# Altium PCB 2016_BeaconIR_YahourtPhone.PCBDOC (part 2 of 2)
Units mil, origin at the board's own origin, x right, y up, seen from the top; angles counter-clockwise.
Board outline 3110.16 x 3110.12 mil, 4 copper layers (1-TOP, 2-SIGNAL, 3-GND, 4-BOT), stack 68 mil thick; 241 components, 166 nets, 741 pads, 347 vias.
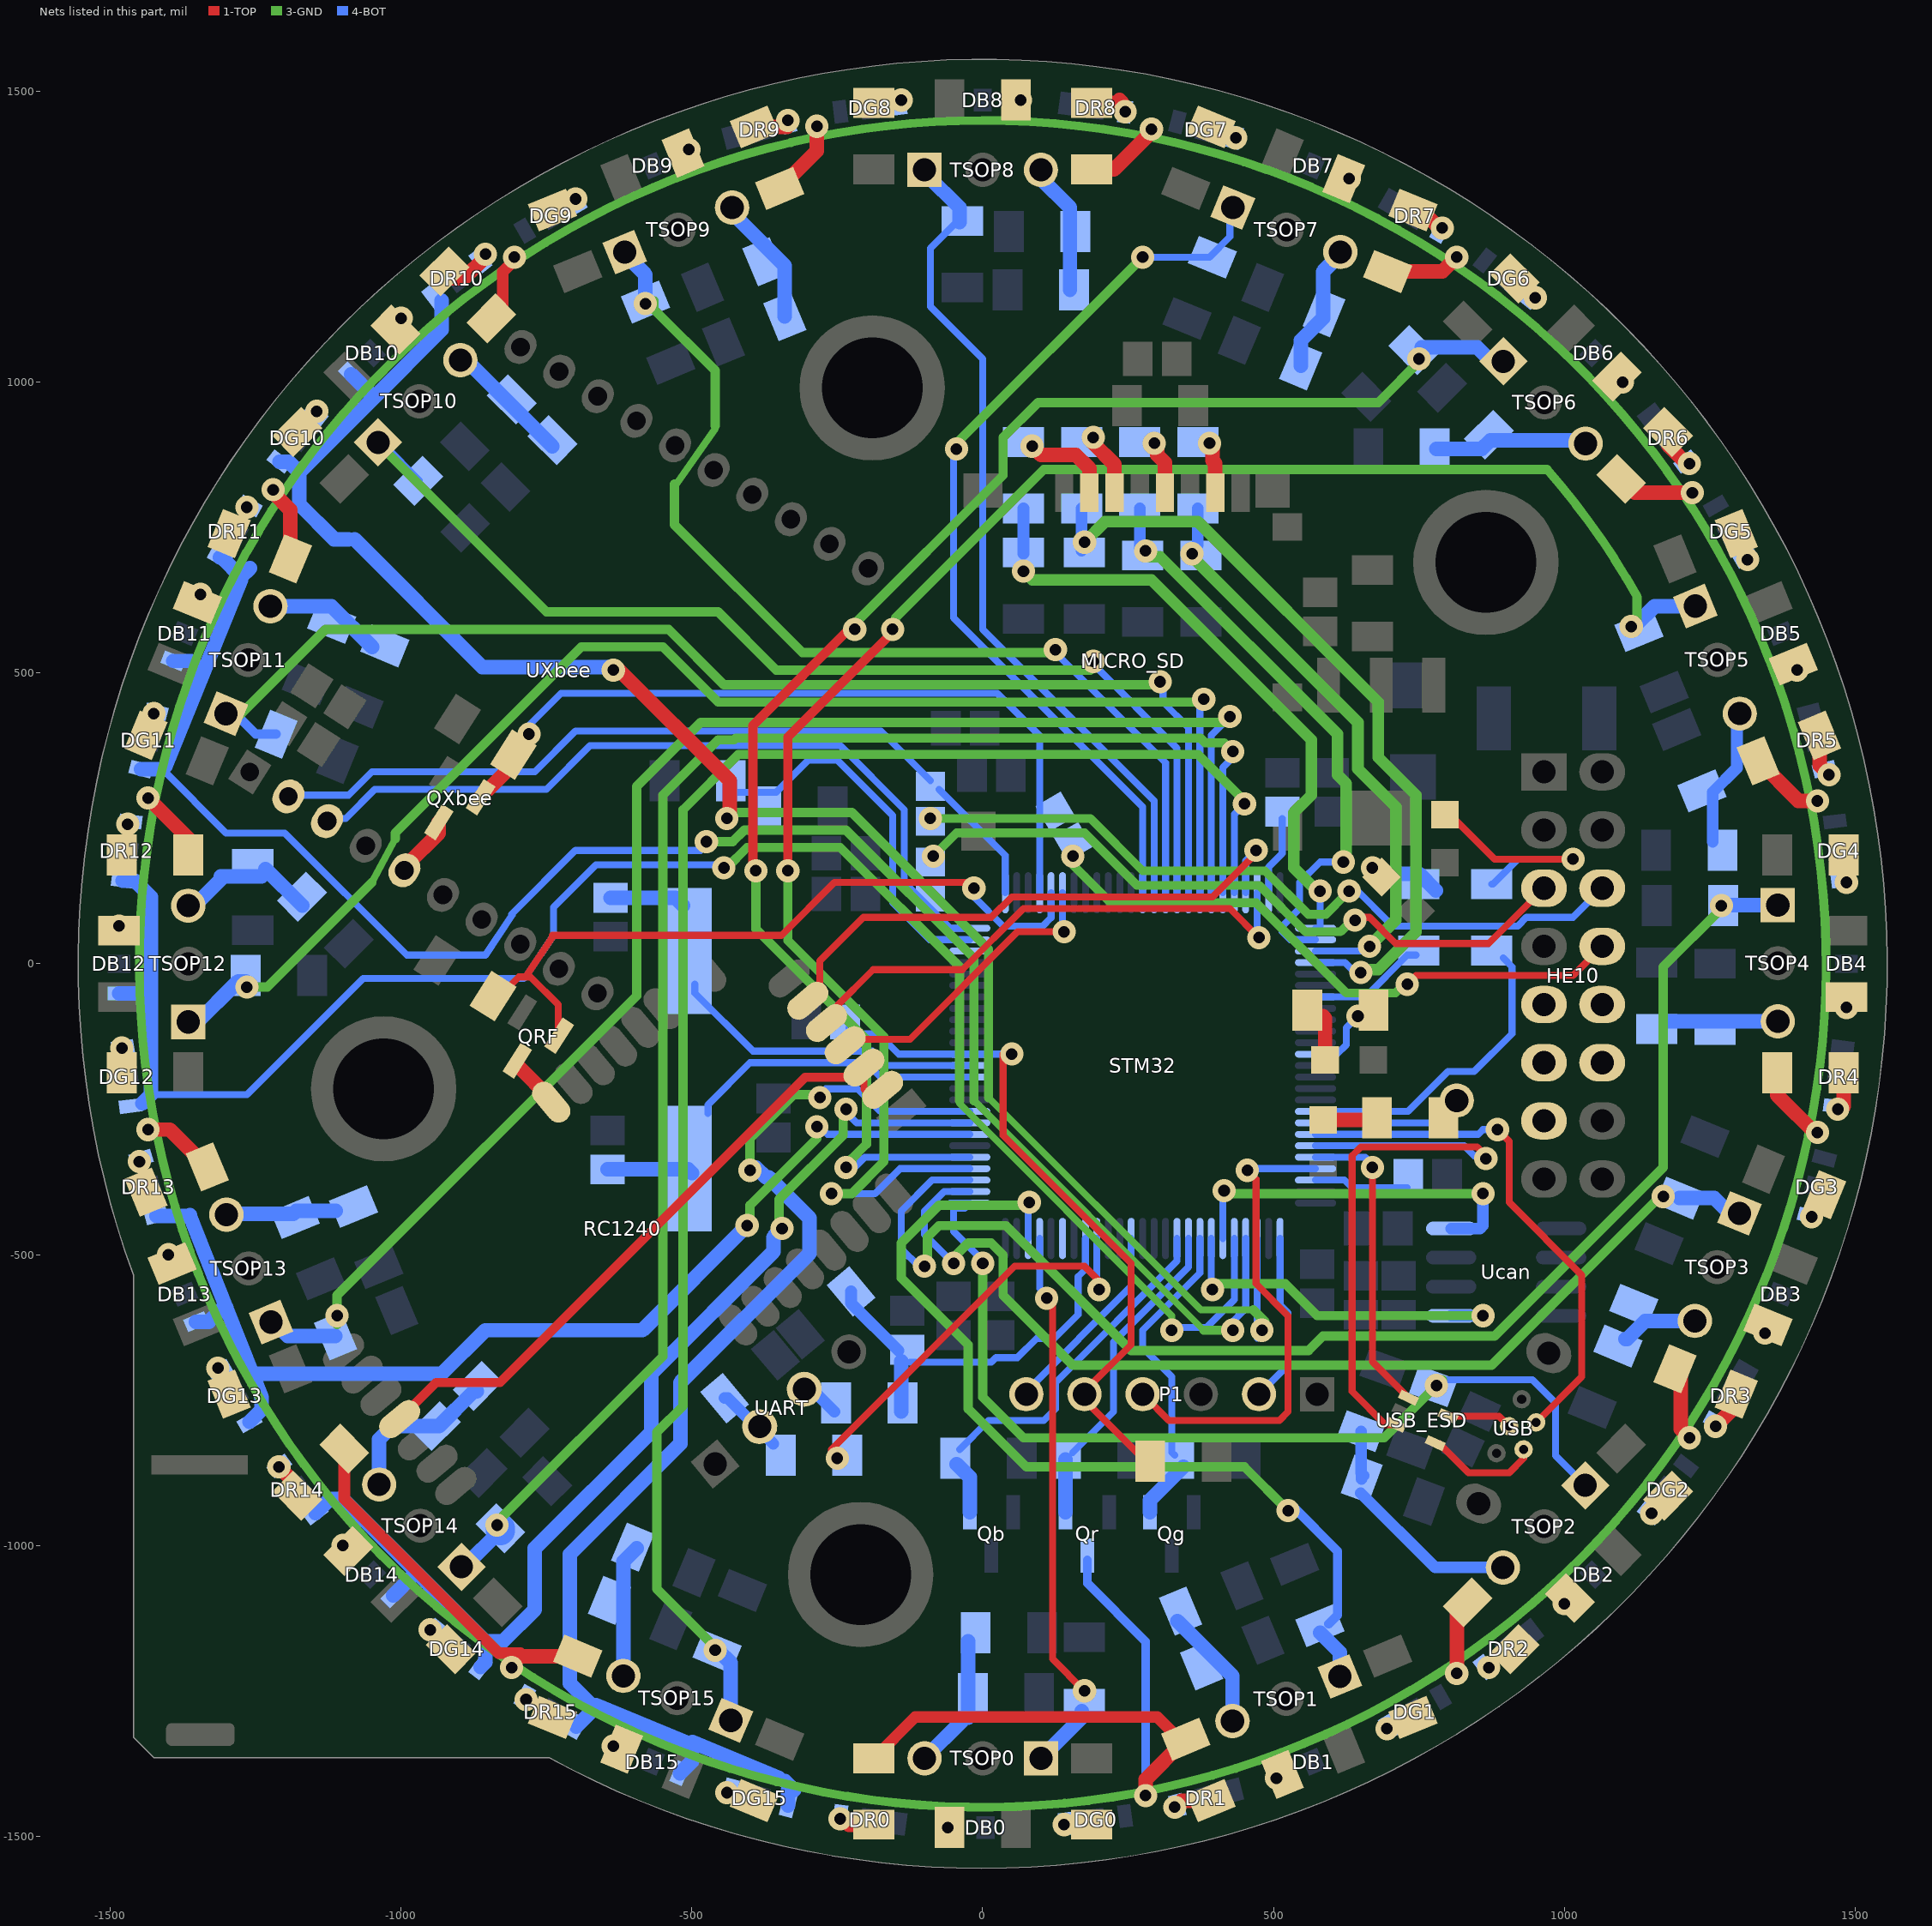
[diagram p4: the nets of this part, all layers, seen from the top]

## Via types
v1: diameter 40, hole 20, 1-TOP to 4-BOT, 347 vias

## Nets (pads, with @x,y where several pads share a name; then routed paths per layer and width w, separated by ;. In a path a pad name is that pad's centre, name@x,y a point inside that pad or via, vN(x,y) a via of type N, cw(c..) or ccw(c..) an arc to the next point about the centre after c; other vN are vias at no path point) (continued)
LEDS10: DB10.1 DG10.1 DR10.1 STM32.78 | length 3161.5
  1-TOP w25: v1@-630,510 -435,315 v1@-435,250
  3-GND w12: 10,-230 375,-595 465,-595
  3-GND w16: v1@-435,260 -225,260 10,25 10,-230 ; 465,-595 485,-615 485,-630 v1(480,-630)
  4-BOT w12: v1@471.85,-643.15 STM32.78@471.85,-472.24
  4-BOT w25: DG10.1@-1209.16,863.4 -1193.4,863.4 -1175,845 ; -1090,730 -1115,730 -1175,790 -1175,845 ; DB10.1@-1086.19,1013.81 -1050,977.62 -1050,970 ; -1080,730 -860,510 v1@-635,510 ; DR10.1@-930,1140 -930,1090 -1050,970 ; -1175,845 -1050,970
  other v1: -440,250 -635,505
LEDS11: DB11.1 DG11.1 DR11.1 STM32.79 | length 3258.4
  3-GND w12: -15,-235 380,-630
  3-GND w16: v1@-470,210 -430,210 -410,230 -235,230 -15,10 -15,-235 ; 380,-630 v1@424.5,-630
  4-BOT w12: -1410.44,334.56 -1300.87,225 -1200,225 -990,15 -855,15 ; -855.15,14.77 -809,84 ; -810,85 -700,195 -485,195 v1@-470,210 ; v1@425,-640 425,-620 452.17,-592.83 STM32.79@452.17,-472.24
  4-BOT w25: DG11.1@-1447.25,334.56 -1410.44,334.56 ; -1405,340 -1340,500 ; DB11.1@-1391.59,520.71 -1360.71,520.71 -1340,500 ; DR11.1@-1311.59,698.68 -1308.68,698.68 -1275,665 -1260,680 ; -1275,660 -1340,500
  other v1: 430,-630 -475,210
LEDS12: DB12.1 DG12.1 DR12.1 STM32.80 | length 3144.8
  3-GND w12: -40,-235 -40,-240 325,-605 v1(325,-630)
  3-GND w16: v1@-440,165 -405,200 -245,200 -40,-5 -40,-235 ; v1(325,-630) v1@330,-630
  4-BOT w12: -1430,-225 -1265,-225 -1065,-25 -789,-25 -784,-20 ; -784.15,-20.23 -738,49 ; -738,48 -738,97 -665,170 v1@-460,170 ; v1@340,-625 385,-625 432.48,-577.52 STM32.80@432.48,-472.24
  4-BOT w25: DB12.1@-1485,-51.18 -1431.18,-51.18 ; DR12.1@-1478.68,143.26 -1458.26,143.26 -1430,115 -1430,-225 -1445,-240
  other v1: -445,165
LEDS13: DB13.1 DG13.1 DR13.1 STM32.7 | length 1936.4
  3-GND w16: v1@-400,-450 -400,-415 -285,-300 v1(-285,-280) v1@-290,-275
  4-BOT w12: v1@-280,-280 -266.89,-293.11 STM32.7@-22.24,-293.11
  4-BOT w25: DR13.1@-1420.75,-433.44 -1366.56,-433.44 ; -1363.25,-432.13 -1300.56,-591.28 -1253.95,-709.59 ; DB13.1@-1352.41,-615.29 -1330.29,-615.29 -1310,-595 ; DG13.1@-1260.41,-787.32 -1240,-766.91 -1240,-745 -1253.95,-709.59 ; v1(-405,-450) -585,-630 -855,-630 -930,-705 -1249.36,-705 -1253.95,-709.59
LEDS14: DB14.1 DG14.1 DR14.1 STM32.8 | length 1905
  3-GND w16: v1@-350,-460 -350,-405 -240,-295 v1@-240,-255
  4-BOT w12: v1@-230,-260 -216.57,-273.43 STM32.8@-22.24,-273.43
  4-BOT w25: DR14.1@-1146.84,-944.6 -1122.24,-920 -1100,-920 -855,-1165 ; DB14.1@-1013.81,-1086.19 -977.62,-1050 ; DG14.1@-863.4,-1209.16 -855,-1200.76 -855,-1165 ; v1(-345,-455) -360,-470 -360,-495 -570,-705 -570,-805 -770,-1005 -770,-1110 -825,-1165 -855,-1165
  other v1: -235,-250
LEDS15: DB15.1 DG15.1 DR15.1 STM32.9 | length 2114
  3-GND w16: v1@-400,-365 -400,-300 -325,-225 v1@-295,-225
  4-BOT w12: v1@-270,-215 -215,-215 -176.26,-253.74 STM32.9@-22.24,-253.74
  4-BOT w25: DR15.1@-698.68,-1311.59 -667.09,-1280 -710,-1237.09 -710,-1015 -520,-825 -520,-720 -297.5,-497.5 -297.5,-437.5 -367.5,-367.5 -372.5,-367.5 v1@-390,-350 ; -664.71,-1274.28 -499.18,-1343.03 ; DB15.1@-520.71,-1391.59 -500,-1370.87 -500,-1345 ; -499.18,-1338.03 -350,-1400 ; -340,-1405 -324.56,-1420.44 ; DG15.1@-334.56,-1447.25 -334.56,-1420.44
  other v1: -400,-355 -280,-230
NetC46_2: C46.2 STM32.12 Y1.2 | length 653.2
  4-BOT w12: Y1.2@-472.5,-257.5 -472.5,-242.5 -400,-170 -200,-170 -175.31,-194.69 STM32.12@-22.24,-194.69
  4-BOT w25: C46.2@-645,-353.46 -506.54,-353.46 Y1.2@-500,-360
NetC47_2: C47.2 STM32.13 Y1.1 | length 670.1
  4-BOT w12: Y1.1@-495,-35 -495,-50 -395,-150 -190,-150 -165,-175 STM32.13@-22.24,-175
  4-BOT w25: C47.2@-640,113.46 -528.46,113.46 Y1.1@-515,100
NetC49_2: C49.2 STM32.49 | length 137.5
  4-BOT w12: STM32.49@491.54,122.24 491.54,166.54 515,190 C49.2@515,250
NetC50_2: C50.2 STM32.73 | length 163.2
  4-BOT w12: STM32.73@572.24,-371.85 621.85,-371.85 635,-385 C50.2@730,-385
NetCf0_2: Cf0.2 Rf0.2 TSOP0.3 | length 222.9
  4-BOT w25: TSOP0.3@-100,-1366 -35,-1301 ; -25,-1296 Rf0.2@-25,-1165
NetCf1_2: Cf1.2 Rf1.2 TSOP1.3 | length 211
  4-BOT w25: Rf1.2@335,-1130 429.41,-1224.41 TSOP1.3@429.41,-1301.86
NetCf2_2: Cf2.2 Rf2.2 TSOP2.3 | length 384.8
  4-BOT w20: Cf2.2@650,-910 777.93,-1037.93 TSOP2.3@894.41,-1037.93 ; Rf2.2@650.48,-803.64 650.48,-875.48 Cf2.2@651.36,-876.36 ; Cf2.2@651.36,-885.48 Cf2.2@651.36,-876.36 ; Cf2.2@655,-880 Cf2.2@651.36,-876.36
NetCf3_2: Cf3.2 Rf3.2 TSOP3.3 | length 132.4
  4-BOT w25: Rf3.2@1105,-645 1107.8,-645 1138.9,-613.9 TSOP3.3@1224.51,-613.9
NetCf4_2: Cf4.2 Rf4.2 TSOP4.3 | length 191
  4-BOT w25: Rf4.2@1176,-99 TSOP4.3@1367,-99
NetCf5_2: Cf5.2 Rf5.2 TSOP5.3 | length 237
  4-BOT w20: Rf5.2@1255,210 1255,295 1296.68,336.68 TSOP5.3@1296.68,429.7
NetCf6_2: Cf6.2 Rf6.2 TSOP6.3 | length 256.2
  4-BOT w25: Rf6.2@780,885 857.73,885 872.73,900 TSOP6.3@1030,900
NetCf7_2: Cf7.2 Rf7.2 TSOP7.3 | length 220.1
  4-BOT w25: Rf7.2@546.74,1028.15 546.74,1071.74 585,1110 585,1190 TSOP7.3@615,1220
NetCf8_2: Cf8.2 Rf8.2 TSOP8.3 | length 211.7
  4-BOT w25: TSOP8.3@100,1350 150,1300 Rf8.2@150,1159
NetCf9_2: Cf9.2 Rf9.2 TSOP9.3 | length 214.3
  4-BOT w25: TSOP9.3@-430,1290 -340.26,1200.26 Rf9.2@-340.26,1112.85
NetCf10_2: Cf10.2 Rf10.2 TSOP10.3 | length 219.3
  4-BOT w25: TSOP10.3@-898.07,1037.89 -887.89,1037.89 Rf10.2@-740,890
NetCf11_2: Cf11.2 Rf11.2 TSOP11.3 | length 203.6
  4-BOT w25: TSOP11.3@-1224.68,614.79 -1119.79,614.79 Rf11.2@-1050,545
NetCf12_2: Cf12.2 Rf12.2 TSOP12.3 | length 233.6
  4-BOT w25: TSOP12.3@-1366,100 -1355,100 -1310,145 ; -1310,150 Cf12.2@-1240,150 ; Cf12.2@-1232.91,162.91 Rf12.2@-1170,100
NetCf13_2: Cf13.2 Rf13.2 TSOP13.3 | length 179.5
  4-BOT w25: TSOP13.3@-1290,-430 -1185,-430 -1180,-425 Rf13.2@-1112.59,-425
NetCf14_2: Cf14.2 Rf14.2 TSOP14.3 | length 279.5
  4-BOT w25: TSOP14.3@-1037.71,-895.23 -1037.71,-817.71 -1015,-795 -935,-795 -875,-735 Rf14.2@-870,-735
NetCf15_2: Cf15.2 Rf15.2 TSOP15.3 | length 228.7
  4-BOT w25: TSOP15.3@-617.87,-1224.23 -617.88,-1027.88 Rf15.2@-595,-1005
NetDB0_2: DB0.2 RB0.2
  other v1: -60,-1485
NetDB1_2: DB1.2 RB1.2
  other v1: 505,-1400
NetDB2_2: DB2.2 RB2.2
  other v1: 1000,-1100
NetDB3_2: DB3.2 RB3.2
  other v1: 1345,-635
NetDB4_2: DB4.2 RB4.2
  other v1: 1485,-75
NetDB5_2: DB5.2 RB5.2
  other v1: 1400,505
NetDB6_2: DB6.2 RB6.2
  other v1: 1100,1000
NetDB7_2: DB7.2 RB7.2
  other v1: 630,1350
NetDB8_2: DB8.2 RB8.2
  other v1: 65,1485
NetDB9_2: DB9.2 RB9.2
  other v1: -505,1400
NetDB10_2: DB10.2 RB10.2
  other v1: -1000,1110
NetDB11_2: DB11.2 RB11.2
  other v1: -1345,635
NetDB12_2: DB12.2 RB12.2
  other v1: -1485,65
NetDB13_2: DB13.2 RB13.2
  other v1: -1400,-500
NetDB14_2: DB14.2 RB14.2
  other v1: -1100,-1000
NetDB15_2: DB15.2 RB15.2
  other v1: -635,-1345
NetDG0_2: DG0.2 RG0.2
  other v1: 140,-1480
NetDG1_2: DG1.2 RG1.2
  other v1: 695,-1315
NetDG2_2: DG2.2 RG2.2
  other v1: 1150,-945
NetDG3_2: DG3.2 RG3.2
  other v1: 1425,-435
NetDG4_2: DG4.2 RG4.2
  other v1: 1485,140
NetDG5_2: DG5.2 RG5.2
  other v1: 1315,695
NetDG6_2: DG6.2 RG6.2
  other v1: 950,1145
NetDG7_2: DG7.2 RG7.2
  other v1: 435,1420
NetDG8_2: DG8.2 RG8.2
  other v1: -140,1485
NetDG9_2: DG9.2 RG9.2
  other v1: -700,1315
NetDG10_2: DG10.2 RG10.2
  other v1: -1145,950
NetDG11_2: DG11.2 RG11.2
  other v1: -1425,430
NetDG12_2: DG12.2 RG12.2
  other v1: -1480,-145
NetDG13_2: DG13.2 RG13.2
  other v1: -1315,-695
NetDG14_2: DG14.2 RG14.2
  other v1: -950,-1145
NetDG15_2: DG15.2 RG15.2
  other v1: -440,-1425
NetDR0_2: DR0.2 RR0.2 | length 57.2
  1-TOP w25: v1@-240,-1470 -229.91,-1480.09 RR0.2@-187,-1480.09
  other v1: -245,-1470
NetDR1_2: DR1.2 RR1.2 | length 67.5
  1-TOP w25: v1(330,-1450) 341.26,-1438.74 RR1.2@392.85,-1438.74
NetDR2_2: DR2.2 RR2.2
  other v1: 870,-1210
NetDR3_2: DR3.2 RR3.2 | length 62.9
  1-TOP w25: v1@1265,-790 1295.74,-759.26 RR3.2@1295.74,-739.85
  other v1: 1260,-795
NetDR4_2: DR4.2 RR4.2 | length 72.2
  1-TOP w25: v1@1470,-255 1480.09,-244.91 RR4.2@1480.09,-187
  other v1: 1470,-250
NetDR5_2: DR5.2 RR5.2 | length 74.6
  1-TOP w25: RR5.2@1438.74,392.85 1438.74,341.26 v1(1455,325)
NetDR6_2: DR6.2 RR6.2 | length 74.5
  1-TOP w25: RR6.2@1178.37,914.37 1178.37,891.63 v1@1215,855
  other v1: 1215,860
NetDR7_2: DR7.2 RR7.2 | length 57.9
  1-TOP w25: RR7.2@739.85,1295.74 754.26,1295.74 v1@785,1265
  other v1: 790,1265
NetDR8_2: DR8.2 RR8.2 | length 74.9
  1-TOP w25: RR8.2@187,1480.09 239.91,1480.09 235,1485 v1@235,1470
  other v1: 245,1465
NetDR9_2: DR9.2 RR9.2 | length 56.6
  1-TOP w25: RR9.2@-392.85,1438.74 v1@-336.26,1438.74
  other v1: -335,1450
NetDR10_2: DR10.2 RR10.2 | length 74.5
  1-TOP w25: RR10.2@-914.37,1178.37 -891.63,1178.37 v1@-855,1215
  other v1: -855,1220
NetDR11_2: DR11.2 RR11.2
  other v1: -1265,785
NetDR12_2: DR12.2 RR12.2
  other v1: -1470,240
NetDR13_2: DR13.2 RR13.2
  other v1: -1450,-340
NetDR14_2: DR14.2 RR14.2 | length 55.4
  1-TOP w25: v1@-1205,-870 -1178.37,-896.63 RR14.2@-1178.37,-914.37
  other v1: -1210,-865
NetDR15_2: DR15.2 RR15.2
  other v1: -785,-1265
NetLedRun_1: LedRun.1 Rledrun.1 | length 111
  4-BOT w25: v1@680,155 750,155 Rledrun.1@778.96,126.04
  other v1: 670,165
NetLedSyncG_1: LedSyncG.1 RledSynchroR.1 | length 395.9
  1-TOP w12: LedSyncG.1@800,260 880,180 v1@1010,180
  4-BOT w12: RledSynchroR.1@875,137.09 877.09,137.09 920,180 v1@1010,180
  other v1: 1015,180
NetLedSyncR_1: LedSyncR.1 RledSynchroG.1 | length 101.5
  1-TOP w25: LedSyncR.1@585,-268.66 681.34,-268.66 RledSynchroG.1@685,-265
NetLedUsr_1: LedUsr.1 RledUsr.1 | length 76.5
  1-TOP w25: 585,-90 588.66,-93.66 LedUsr.1@588.66,-165
NetMICRO_SD_2: MICRO_SD.2 RsdCS.2 | length 148.8
  1-TOP w25: v1@90,885 100,875 160,875 183.31,851.69 MICRO_SD.2@183.31,810
  other v1: 85,890
NetMICRO_SD_3: MICRO_SD.3 RsdMosi.2 | length 100.2
  1-TOP w25: v1@190,895 226.61,858.39 MICRO_SD.3@226.61,810
  other v1: 190,905
NetMICRO_SD_5: MICRO_SD.5 RsdSck.2 | length 95.5
  1-TOP w25: v1@300,900 300,875 313.23,861.77 MICRO_SD.5@313.23,810
  other v1: 295,895
NetMICRO_SD_7: MICRO_SD.7 RsdMiso.2 | length 87
  1-TOP w25: v1@395,895 395,865 399.84,860.16 MICRO_SD.7@399.84,810
  other v1: 390,895
NetQRF_3: QRF.3 RC1240.22 | length 86.9
  1-TOP w25: QRF.3@-800,-175 -741.83,-233.17 RC1240.22@-741.84,-237.84
NetQXbee_3: QXbee.3 UXbee.5 | length 96.2
  1-TOP w25: UXbee.5@-990,170 -935.1,224.9 QXbee.3@-935.1,243.46
NetRpuU1tx_1: RpuU1tx.1 Rsu1tx.1 UART.2 | length 116.2
  4-BOT w20: RpuU1tx.1@-443.73,-746.69 -438.31,-746.69 Rsu1tx.1@-360,-825
NetRsu1rx_2: Rsu1rx.2 UART.3 | length 67.8
  4-BOT w20: UART.3@-306.79,-731.44 -293.56,-731.44 Rsu1rx.2@-255,-770
NetUSB_2: USB.2 USB_ESD.4 | length 191.2
  1-TOP w12: USB_ESD.4@785,-825 835,-875 905,-875 929.87,-850.13 USB.2@929.87,-834.83
NetUSB_3: USB.3 USB_ESD.5 | length 105.4
  1-TOP w12: USB_ESD.5@799.71,-777.61 887.61,-777.61 USB.3@900,-790
PA0_BP: STM32.23
PA1_WHO_AM_I: RdwnWAmI.2 RupWAmI.1 STM32.24 | length 636.2
  4-BOT w12: RdwnWAmI.2@-420,295 -355,295 -300,350 -250,350 -155,255 -155,105 -91.54,41.54 STM32.24@-22.24,41.54
PA2_U2TX_XBEE: STM32.25 Tx.2 UXbee.3 | length 1362.7
  4-BOT w12: UXbee.3@-1130,250 -1095,250 -1045,300 -750,300 -675,375 -245,375 -135,265 -135,140 -56.22,61.22 STM32.25@-22.24,61.22
PA3_U2RX_XBEE: Rx.2 STM32.26 UXbee.2 | length 1410.7
  4-BOT w12: UXbee.2@-1195,290 -1090,290 -1050,330 -770,330 -700,400 -175,400 Rx.2@-90,315 ; Rx.2@-75,300 38.78,186.22 STM32.26@38.78,122.24
PA4_XBEE_RESET: QXbee.1 RpXbee.1 Rst.2 STM32.29 | length 1293.4
  1-TOP w25: QXbee.1@-863.36,286.45 -810,339.81 RpXbee.1@-810,350
  4-BOT w12: v1@-785,405 -725,465 25,465 97.83,392.17 97.83,285 STM32.29@97.83,122.24
  other v1: -780,395
PA5_RF_RESET: QRF.1 RpRF.1 STM32.30 | length 1296.6
  1-TOP w12: RpRF.1@-855,-80 -797.5,-22.5 -777.5,-22.5 -730,-70 QRF.1@-730,-120 ; -784.15,-20.23 -738,49 ; -740,49 -346,49 -255,140 v1@-10,140
  4-BOT w12: v1@-15,140 -15,115 35,65 103.33,65 117.52,79.19 STM32.30@117.52,122.24
  other v1: -15,130
PA6_RF_CONFIG: RC1240.4 STM32.31 | length 516.7
  1-TOP w12: RC1240.4@-236.42,-140.09 -230.99,-134.66 -209.66,-134.66 -205,-130 -125,-130 60,55 v1@135,55
  4-BOT w12: v1@137.2,57.8 STM32.31@137.2,122.24
  other v1: 140,55
PA8_LEDSYNCHROR: RledSynchroR.2 STM32.67 | length 529.4
  4-BOT w12: STM32.67@572.24,-253.74 731.26,-253.74 800,-185 845,-185 910,-120 910,-5 RledSynchroR.2@895,10
PA9_LEDSYNCHROG: RledSynchroG.2 STM32.68 Sync.1 | length 253.9
  4-BOT w12: STM32.68@572.24,-273.43 796.57,-273.43 Sync.1@817.5,-252.5
PA10_USB_ID: STM32.69 USB.4 | length 912.1
  1-TOP w12: v1(885,-285) 905,-305 905,-410 1030,-535 1030,-709.94 USB.4@951.5,-788.45
  4-BOT w12: STM32.69@572.24,-293.11 851.89,-293.11 860,-285 v1(885,-285)
PA11_USB_DM: STM32.70 USB_ESD.3 | length 1051.4
  1-TOP w12: USB_ESD.3@710.29,-792.39 692.39,-792.39 635,-735 635,-330 650,-315 850,-315 v1@865,-330
  4-BOT w12: STM32.70@572.24,-312.8 827.8,-312.8 845,-330 v1@870,-330
  other v1: 865,-335
PA12_USB_DP: STM32.71 USB_ESD.1 | length 512.5
  1-TOP w12: v1@670,-355 670,-684.08 USB_ESD.1@731.92,-746
  4-BOT w12: STM32.71@572.24,-332.48 657.48,-332.48 v1@665,-340
  other v1: 670,-350
PB6_U1TX: Rsu1tx.2 STM32.92 | length 692.3
  1-TOP w12: v1@-260,-855 -260,-835 55,-520 175,-520 v1@200,-545
  4-BOT w12: v1@196.26,-543.74 STM32.92@196.26,-472.24
  other v1: -250,-850 200,-560
PB7_U1RX: Cu1rx.2 RpuU1rx.1 Rsu1rx.1 STM32.93 | length 680.7
  4-BOT w12: Cu1rx.2@-125,-685 15,-685 22.94,-677.06 59.91,-677.06 92.97,-644 122.87,-644 164,-602.87 164,-537.87 176.57,-525.3 STM32.93@176.57,-472.24
  4-BOT w20: RpuU1rx.1@-226.27,-563.31 -226.27,-583.73 Cu1rx.2@-145,-665
  4-BOT w25: Rsu1rx.1@-140,-770 Cu1rx.2@-140,-683.46
PB8_I_AM_READY: STM32.95
PB10_U3TX_RF: RC1240.6 STM32.47 | length 969.7
  1-TOP w12: RC1240.6@-300.7,-63.49 -280,-42.79 -280,5 -205,80 15,80 50,115 395,115 v1@465,185
  4-BOT w12: STM32.47@452.17,122.24 452.17,177.17 v1@465,190
  other v1: 470,195
PB11_U3RX_RF: RC1240.5 STM32.48 | length 896.6
  1-TOP w12: RC1240.5@-268.56,-101.79 RC1240.5@-268.56,-93.56 ; RC1240.5@-253.33,-75 -188.33,-10 -35,-10 70,95 425,95 v1(475,45) v1@477.5,42.5
  4-BOT w12: v1@471.85,56.85 STM32.48@471.85,122.24
PB12_SD_CS: RpudCs.2 RsdCS.1 STM32.51 | length 1031.5
  3-GND w20: v1(70,675) 85,660 290,660 565,385 565,290 535,260 535,165 v1@570,130
  4-BOT w12: STM32.51@572.24,61.22 STM32.51@573.78,61.22 ; STM32.51@580,65 v1@580,120
  4-BOT w20: RpudCs.2@70,705 RsdCS.1@70,782.91
  other v1: 580,125
PB13_SD_SCK: RpudSck.1 RsdSck.1 STM32.52 | length 996.4
  3-GND w20: v1@280,700 305,700 610,395 610,325 625,310 625,190 v1@610,175
  4-BOT w12: STM32.52@572.24,41.54 528.46,41.54 515,55 515,65 545,95 545,140 580,175 v1@610,175
  4-BOT w20: RpudSck.1@270,715 RsdSck.1@270,782.91
  other v1: 620,175 280,710
PB14_SD_MISO: RpudMiso.1 RsdMiso.1 STM32.53 | length 985.6
  3-GND w20: v1@365,695 645,415 645,335 710,270 710,75 v1(665,30)
  4-BOT w12: STM32.53@572.24,21.85 656.85,21.85 v1(665,30)
  4-BOT w20: RpudMiso.1@370,720 RsdMiso.1@370,782.91
  other v1: 360,705
PB15_SD_MOSI: RpudMosi.2 RsdMosi.1 STM32.54 | length 1339.5
  3-GND w20: v1(175,725) 210,760 370,760 680,450 680,355 745,290 745,55 680,-10 v1@650,-10
  4-BOT w12: STM32.54@572.24,2.17 622.83,2.17 v1@640,-15
  4-BOT w20: RpudMosi.2@170,710 RsdMosi.1@170,782.91
  other v1: 650,-15
PD0_CANRX: STM32.81 Ucan.4 | length 624.7
  3-GND w16: v1@410,-395 850,-395 v1@855,-395
  4-BOT w12: STM32.81@412.8,-472.24 412.8,-402.2 v1@415,-400
  4-BOT w20: Ucan.4@805.51,-455 855,-455 860,-450 v1@860,-400
  other v1: 860,-395 415,-390
PD1_CANTX: STM32.82 Ucan.1 | length 624
  3-GND w16: v1@400,-555 405,-550 520,-550 575,-605 v1(860,-605)
  4-BOT w12: v1@393.11,-566.89 STM32.82@393.11,-472.24
  4-BOT w20: Ucan.1@805.51,-605 v1@850,-605
  other v1: 395,-560
PD2_LED_GREEN: Qg.1 RpdG.2 STM32.83 | length 537.7
  4-BOT w12: RpdG.2@330,-845 325,-840 325,-710 275,-660 275,-630 373.43,-531.57 STM32.83@373.43,-472.24
  4-BOT w25: Qg.1@287.6,-942.6 287.6,-922.4 RpdG.2@345,-865
PD3_LED_RED: Qr.1 RpdR.2 STM32.84 | length 540.3
  4-BOT w12: RpdR.2@155,-840 225,-770 225,-650 353.74,-521.26 STM32.84@353.74,-472.24
  4-BOT w25: Qr.1@142.6,-942.6 RpdR.2@142.6,-852.4
PD4_LED_BLUE: Qb.1 RpdB.2 STM32.85 | length 665.3
  4-BOT w12: RpdB.2@-40,-835 10,-785 105,-785 125,-765 125,-720 334.06,-510.94 STM32.85@334.06,-472.24
  4-BOT w25: RpdB.2@-45,-860 -22.4,-882.6 Qb.1@-22.4,-942.6
PD10_LED_RUN: Rledrun.2 STM32.57 | length 202.5
  4-BOT w12: STM32.57@572.24,-56.89 658.11,-56.89 730,15 Rledrun.2@745,15
PD15_LED_USER: RledUsr.2 STM32.62 | length 116.9
  4-BOT w12: STM32.62@572.24,-155.31 608.82,-155.31 625,-139.14 625,-110 v1(645,-90)
PROG_NRST: Cnrst.2 P1.5 Rnrst.1 STM32.14 | length 1173.7
  1-TOP w12: v1@35,-155 35,-295 255,-515 255,-655 P1.5@180,-730 ; P1.5@160,-735 280,-855 Rnrst.1@287.91,-855
  4-BOT w12: Cnrst.2@-230,-110 -220,-120 -180,-120 -144.68,-155.31 STM32.14@-22.24,-155.31 49.69,-155.31 v1(50,-155)
PROG_SWCLK: P1.2 STM32.76 | length 280
  4-BOT w12: P1.2@485,-730 525,-690 525,-600 511.22,-586.22 STM32.76@511.22,-472.24
PROG_SWDIO: P1.4 STM32.72 | length 815.2
  1-TOP w12: P1.4@280,-745 320,-785 510,-785 525,-770 525,-605 470,-550 470,-370 v1(455,-355)
  4-BOT w12: v1@470,-355 472.83,-352.17 STM32.72@572.24,-352.17
PROG_SWO: P1.6 STM32.89 | length 342.4
  4-BOT w12: P1.6@75,-740 75,-735 255.32,-554.68 STM32.89@255.32,-472.24
REDGND: Qr.3 RR0.1 RR1.1 RR2.1 RR3.1 RR4.1 RR5.1 RR6.1 RR7.1 RR8.1 RR9.1 RR10.1 RR11.1 RR12.1 RR13.1 RR14.1 RR15.1 | length 12359.4
  1-TOP w20: RR14.1@-1097.63,-833.63 -1097.63,-919.69 -832.33,-1185 -795,-1185 ; RR10.1@-825.25,1124.71 -825.25,1189.75 v1@-800,1215 ; RR0.1@-187,-1365.91 -116.09,-1295 300,-1295 RR1.1@335,-1330
  1-TOP w25: v1@-1430,-285 -1397.41,-285 RR13.1@-1333.26,-349.15 ; v1@-1430,280 -1365.91,215.91 RR12.1@-1365.91,187 ; v1@-1220,810 -1190.26,780.26 RR11.1@-1190.26,696.15 ; v1@-810,-1205 -795.26,-1190.26 RR15.1@-696.15,-1190.26 ; RR9.1@-349.15,1333.26 -285,1397.41 v1@-285,1435 ; RR8.1@187,1365.91 225.91,1365.91 v1@290,1430 ; v1(280,-1430) 280,-1402.41 RR1.1@343.71,-1338.71 ; RR7.1@696.15,1190.26 790.26,1190.26 v1(815,1215) ; v1(815,-1220) 815,-1116.27 RR2.1@833.63,-1097.63 ; RR6.1@1097.63,833.63 1121.27,810 v1@1215,810 ; RR3.1@1190.26,-696.15 1200,-705.89 1200,-800 v1(1215,-815) ; RR5.1@1333.26,349.15 1402.41,280 v1(1435,280) ; RR4.1@1365.91,-187 1365.91,-225.91 v1@1435,-295
  3-GND w15: v1@264.03,-1425.76 cw(c0,0) v1@273.64,-1423.95
  4-BOT w15: Qr.3@180,-1025 180,-1065 280,-1165 v1(280,-1430)
  other v1: -810,-1210 1435,-290 -1435,-285 -1435,285 1220,810 -1220,815 -805,1215 290,1435 -285,1440
STR_RF_CONFIG: HE10.11
STR_RF_RESET: HE10.10
STR_RF_RX: HE10.12
STR_RF_TX: HE10.9
STR_SYNCHRO: HE10.13
STR_XBEE_RESET: HE10.8 Rst.1 | length 1032.2
  1-TOP w12: v1@735,-30 745,-20 1015,-20 HE10.8@1065,30
  3-GND w15: v1@155,180 155,170 220,105 470,105 625,-50 710,-50 v1@725,-35
  other v1: 730,-35 155,185
STR_XBEE_RX: HE10.6 Rx.1 | length 1271.7
  3-GND w15: v1@-85,250 185,250 275,160 485,160 560,85 590,85 v1@625,120
  4-BOT w12: v1@640,130 705,65 920,65 935,80 1015,80 HE10.6@1065,130
  other v1: 630,125 -90,250
STR_XBEE_TX: HE10.5 Tx.1 | length 1182.7
  1-TOP w12: v1@645,80 665,80 710,35 870,35 HE10.5@965,130
  3-GND w15: v1@-72.5,197.5 -45,225 175,225 265,135 475,135 555,55 615,55 v1@640,80
  other v1: 640,75 -85,185
TSOP0: Rp0.2 STM32.97 TSOP0.1 | length 934.7
  1-TOP w12: v1@120,-565 120,-1195 v1(175,-1250)
  4-BOT w12: STM32.97@97.83,-472.24 97.83,-557.83 v1@120,-580
  4-BOT w25: TSOP0.1@100,-1366 170,-1296 Rp0.2@170,-1285
  other v1: 110,-575
TSOP1: Rp1.2 STM32.98 TSOP1.1 | length 1590.4
  3-GND w16: v1@80,-400 65,-415 -75,-415 -140,-480 -140,-540 -25,-655 -25,-765 75,-865 450,-865 v1(525,-940)
  4-BOT w12: STM32.98@78.15,-472.24 v1@78.15,-416.85
  4-BOT w16: v1@535,-935 610,-1010 610,-1120 Rp1.2@595,-1135
  4-BOT w25: Rp1.2@580,-1150 614.19,-1184.19 TSOP1.1@614.19,-1225.32
  other v1: 80,-410
TSOP2: Rp2.2 STM32.1 TSOP2.1 | length 1653.6
  3-GND w16: v1(0,-515) 0,-745 70,-815 690,-815 v1@790,-715
  4-BOT w12: STM32.1@-56.22,-411.22 STM32.1@-22.24,-411.22 -31.02,-420 -50,-420 -50,-460 v1@-5,-505 ; Rp2.2@770,-715 945,-715 985,-755 985,-845.67 TSOP2.1@1035.84,-896.51
  other v1: 780,-725
TSOP3: Rp3.2 STM32.2 TSOP3.1 | length 1773.6
  3-GND w16: v1@-50,-505 -25,-480 14.5,-480 35,-500.5 35,-570 155,-690 875,-690 v1@1160,-405
  4-BOT w12: v1@-55,-510 -100,-465 -100,-425 -66.54,-391.54 STM32.2@-22.24,-391.54
  4-BOT w25: Rp3.2@1198.15,-402.74 1257.74,-402.74 TSOP3.1@1295,-440
  other v1: -50,-515 1170,-400
TSOP4: Rp4.2 STM32.3 TSOP4.1 | length 2377.4
  3-GND w16: v1@-95,-530 -95,-470 -75,-450 40,-450 255,-665 560,-665 585,-640 880,-640 1170,-350 1170,-5 v1@1270,95
  4-BOT w12: v1@-110,-520 -140,-490 -140,-425 -86.85,-371.85 STM32.3@-22.24,-371.85
  4-BOT w25: Rp4.2@1276,101 TSOP4.1@1367,101
  other v1: -100,-520 1270,100
TSOP5: Rp5.2 STM32.4 TSOP5.1 | length 3081.7
  1-TOP w16: v1(-335,160) -335,390 v1@-155,570
  3-GND w15: 970.2,850.18 cw(c0,0) 1125.53,630.3
  3-GND w16: v1(-335,160) -335,40 -170,-125 -170,-340 -225,-395 v1@-255,-395 ; v1@-150,580 -150,595 105,850 970,850 ; v1@1125,580 1125,630
  4-BOT w12: v1(-260,-395) -185,-395 -142.17,-352.17 STM32.4@-22.24,-352.17
  4-BOT w25: Rp5.2@1123.15,582.74 1155.41,615 TSOP5.1@1215,615
  other v1: -155,575 1115,580
TSOP6: Rp6.2 STM32.5 TSOP6.1 | length 2670.8
  1-TOP w16: v1@-395,160 -395,410 v1@-220,585
  3-GND w16: v1(-390,160) -390,60 -200,-130 -200,-310 -225,-335 -225,-350 v1@-230,-355 ; v1@-225,580 35,840 35,905 95,965 680,965 v1@755,1040
  4-BOT w12: v1@-222.5,-352.5 -202.48,-332.48 STM32.5@-22.24,-332.48
  4-BOT w25: Rp6.2@755,1060 850,1060 874.17,1035.83 TSOP6.1@895.04,1035.83
  other v1: -235,-350 -220,575 750,1040
TSOP7: Rp7.2 STM32.38 TSOP7.1 | length 1553.6
  3-GND w16: v1@-50,890 v1@280,1220
  4-BOT w12: v1@-50,885 -50,595 275,270 STM32.38@275,122.24 ; v1@280,1215 390,1215 425,1250 TSOP7.1@425,1280
  other v1: -45,885 275,1215
TSOP8: Rp8.2 STM32.39 TSOP8.1 | length 1433.5
  4-BOT w12: Rp8.2@-45,1275 -90,1230 -90,1130 0,1040 0,575 294.68,280.31 STM32.39@294.68,122.24
  4-BOT w25: TSOP8.1@-95,1355 -40,1300 Rp8.2@-40,1275
TSOP9: Rp9.2 STM32.40 TSOP9.1 | length 1776.8
  3-GND w12: -530,820 -460,920
  3-GND w16: v1@-565,1140 -565,1125 -460,1020 -460,925 ; -530,825 -530,755 -310,535 110,535 v1@120,545
  4-BOT w12: v1@125,535 314.37,345.63 STM32.40@314.37,122.24
  4-BOT w25: TSOP9.1@-610,1215 -579.85,1184.85 Rp9.2@-579.85,1137.74
  other v1: 125,540 -580,1135
TSOP10: Rp10.2 STM32.41 TSOP10.1 | length 1909.2
  3-GND w16: TSOP10.1@-1030,885 -750,605 -455,605 -355,505 v1@185,505
  4-BOT w12: v1@190,515 334.06,370.94 STM32.41@334.06,122.24
  4-BOT w16: TSOP10.1@-1030,890 Rp10.2@-970.37,830.37
  other v1: 190,520
TSOP11: Rp11.2 STM32.42 TSOP11.1 | length 2159.2
  3-GND w16: TSOP11.1@-1285,420 -1130,575 -540,575 -445,480 v1@310,480
  4-BOT w12: v1@310,480 310,450 353.74,406.26 STM32.42@353.74,122.24
  4-BOT w16: TSOP11.1@-1285,430 -1249.85,394.85 Rp11.2@-1214.74,394.85
  other v1: 305,485
TSOP12: Rp12.2 STM32.43 TSOP12.1 | length 2388.2
  3-GND w12: -1050,140 -1010,215
  3-GND w16: v1(-1265,-40) -1230,-40 -1050,140 ; -1010,215 -1010,225 -690,545 -550,545 -455,450 v1@375,450
  4-BOT w12: STM32.43@373.43,122.24 v1@373.43,450
  4-BOT w25: TSOP12.1@-1355,-105 -1280,-30 Rp12.2@-1267.09,-30
  other v1: 380,455
TSOP13: Rp13.2 STM32.44 TSOP13.1 | length 2618.3
  3-GND w16: v1@-1110,-620 v1(-1110,-605) -1110,-570 -595,-55 -595,305 -485,415 v1@420,415
  4-BOT w12: STM32.44@393.11,122.24 393.11,393.11 v1@420,420
  4-BOT w25: TSOP13.1@-1215,-620 -1195.15,-639.85 Rp13.2@-1112.74,-639.85
  other v1: 425,425
TSOP14: Rp14.2 STM32.45 TSOP14.1 | length 2734.9
  3-GND w16: v1@-835,-960 -550,-675 -550,290 -455,385 -427.53,385 -424.53,388 374.53,388 382.53,380 415,380 v1(430,365)
  4-BOT w12: STM32.45@412.8,122.24 412.8,337.8 v1@435,360
  4-BOT w25: TSOP14.1@-890,-1035 Rp14.2@-829.37,-974.37
  4-BOT w50: Rp14.2@-829.37,-974.37 Rp14.2@-829.37,-970.37
  other v1: -835,-965
TSOP15: Rp15.2 STM32.46 TSOP15.1 | length 2816.2
  3-GND w16: v1@-465,-1170 -560,-1075 -560,-805 -515,-760 -515,265 -420,360 370,360 445,285 v1@445,275
  4-BOT w12: STM32.46@432.48,122.24 432.48,257.48 v1@445,270
  4-BOT w25: Rp15.2@-455,-1180 -433.1,-1201.9 TSOP15.1@-433.1,-1300.77
  other v1: -460,-1180 450,275
VDD_RC1240: RC1240.2 RC1240.3 RC1240.11 | length 1081.2
  1-TOP w12: RC1240.3@-220.88,-195 RC1240.3@-204.28,-178.4 -204.28,-215.72 RC1240.2@-195,-225
  1-TOP w16: RC1240.11@-990,-770 -940,-720 -830,-720 -305,-195 RC1240.3@-220.88,-195
pads on no net: DB0.0 DB1.0 DB2.0 DB3.0 DB4.0 DB5.0 DB6.0 DB7.0 DB8.0 DB9.0 DB10.0 DB11.0 DB12.0 DB13.0 DB14.0 DB15.0 DG0.0 DG1.0 DG2.0 DG3.0 DG4.0 DG5.0 DG6.0 DG7.0 DG8.0 DG9.0 DG10.0 DG11.0 DG12.0 DG13.0 DG14.0 DG15.0 DR0.0 DR1.0 DR2.0 DR3.0 DR4.0 DR5.0 DR6.0 DR7.0 DR8.0 DR9.0 DR10.0 DR11.0 DR12.0 DR13.0 DR14.0 DR15.0 HE10.7 HE10.14 MICRO_SD. MICRO_SD.1 MICRO_SD.8 MICRO_SD.10 RC1240.0 RC1240.15 RC1240.16 RC1240.17 RC1240.18 RC1240.19 RC1240.20 RC1240.21 RC1240.23 RC1240.24 RC1240.25 RC1240.26 RC1240.27 RC1240.28 RC1240.29 RC1240.30 STM32.32 STM32.35 STM32.36 STM32.37 STM32.55 STM32.56 STM32.58 STM32.59 STM32.60 STM32.61 STM32.77 STM32.86 STM32.87 STM32.88 STM32.90 STM32.91 STM32.96 Ucan.5 UXbee.4 UXbee.6 UXbee.7 UXbee.8 UXbee.9 UXbee.11 UXbee.12 UXbee.13 UXbee.14 UXbee.15 UXbee.16 UXbee.17 UXbee.18 UXbee.19 UXbee.20

## Polygon pours and split planes (outlines as drawn)
GND on 1-TOP "1-GND" (solid, remove dead copper, pour order 8): -1044,1180 -779,1374 -477,1508 -155,1576 177,1576 496,1508 796,1375 1063,1181 1283,937 1449,650 1551,336 1585,11 1551,-315 1448,-633 1285,-915 1063,-1161 796,-1355 497,-1488 174,-1557 -156,-1556 -476,-1488 -778,-1354 -1045,-1160 -1264,-916 -1430,-629 -1531,-318 -1565,9 -1531,337 -1429,651 -1265,934
GND on 2-SIGNAL "2-GND" (solid, remove dead copper, pour order 7): -1044,1180 -779,1374 -477,1508 -155,1576 177,1576 496,1508 796,1375 1063,1181 1283,937 1449,650 1551,336 1585,11 1551,-315 1448,-633 1285,-915 1063,-1161 796,-1355 497,-1488 174,-1557 -156,-1556 -476,-1488 -778,-1354 -1045,-1160 -1264,-916 -1430,-629 -1531,-318 -1565,9 -1531,337 -1429,651 -1265,934
GND on 3-GND "3-GND" (solid, remove dead copper, pour order 6): -1044,1180 -779,1374 -477,1508 -155,1576 177,1576 496,1508 796,1375 1063,1181 1283,937 1449,650 1551,336 1585,11 1551,-315 1448,-633 1285,-915 1063,-1161 796,-1355 497,-1488 174,-1557 -156,-1556 -476,-1488 -778,-1354 -1045,-1160 -1264,-916 -1430,-629 -1531,-318 -1565,9 -1531,337 -1429,651 -1265,934
GND on 4-BOT "4-GND" (solid, remove dead copper, pour order 5): -1044,1180 -779,1374 -477,1508 -155,1576 177,1576 496,1508 796,1375 1063,1181 1283,937 1449,650 1551,336 1585,11 1551,-315 1448,-633 1285,-915 1063,-1161 796,-1355 497,-1488 174,-1557 -156,-1556 -476,-1488 -778,-1354 -1045,-1160 -1264,-916 -1430,-629 -1531,-318 -1565,9 -1531,337 -1429,651 -1265,934

## Keep-outs
Keep-Out Layer:
  the board outline again, w10

## Silkscreen, mask and mechanical layers (free items; w line width, h text height)
Top Overlay:
  lines w10: 395,-1095 560,-1095 730,-925 730,-845 ; 625,810 625,780 645,760 645,720 ; 700,-875 730,-845 ; 755,-870 730,-845 ; 820,30 820,105
  text "v" at -13,1469 h40
  text "8" at 15,1440 h40 r180
  text "r" at 180,1410 h40
  text "b" at -200,1405 h40
  text "r" at -380,1370 h40
  text "b" at 360,1370 h40
  text "v" at -583,1359 h40
  text "v" at 557,1354 h40
  text "9" at -540,1340 h40 r202.5
  text "7" at 560,1325 h40 r152.5
  text "r" at 710,1230 h40
  text "b" at -730,1225 h40
  text "r" at -895,1135 h40
  text "b" at 860,1120 h40
  text "10" at -995,1040 h40 r225
  text "v" at -1063,1034 h40
  text "v" at 1037,1034 h40
  text "°" at 388,1024 h30
  text "6" at 1025,1010 h40 r135
  text "10u" at 410,930 h40
  text "r" at 1135,860 h40
  text "b" at -1150,855 h40
  text "4.7u" at 640,830 h40 r90
  text "°" at -762,739 h30
  text "100n" at -685,731 h40
  text "~" at -750,715 h40 r180
  text "r" at -1255,705 h40
  text "b" at 1235,695 h40
  text "10n" at 600,690 h40 r90
  text "4.7u" at -695,661 h40
  text "r" at -490,645 h40
  text "330R" at -438,644 h40
  text "#" at -781,630 h40 r270
  text "100k" at -723,599 h40
  text "v" at -498,584 h40
  text "150R" at -433,574 h40
  text "*" at -783,573 h40 r270
  text "11" at -1325,570 h40 r247.5
  text "v" at 1357,554 h40
  text "v" at -1393,549 h40
  text "10k" at -723,543 h40
  text "5" at 1335,540 h40 r112.5
  text "1u" at -1130,525 h40 r327.5
  text "b" at -500,525 h40
  text "+" at -778,513 h40 r270
  text "47R" at -423,509 h40
  text "1k" at -724,485 h40
  text "-> FdP" at 915,475 h40
  text "=" at -751,459 h40 r180
  text "100R" at -726,422 h40
  text "*" at -878,408 h40 r270
  text "b" at -1400,355 h40
  text "r" at 1380,355 h40
  text "10p" at -1100,350 h40 r327.5
  text "1826S" at 585,345 h40
  text "MOSN" at -850,210 h40 r327.5
  text "r" at -1425,175 h40
  text "b" at 1405,170 h40
  text "run" at 665,60 h40 r315
  text "12" at -1440,25 h40 r270
  text "*" at -913,-7 h40 r270
  text "4" at 1440,-15 h40 r90
  text "v" at -1498,-16 h40
  text "v" at 1472,-16 h40
  text "b" at 600,-100 h40
  text "Sync" at 820,-130 h40 r90
  text "usr" at 735,-195 h40
  text "r" at 1415,-200 h40
  text "b" at -1440,-205 h40
  text "v" at 722,-281 h40
  text "MOSN" at -865,-345 h40 r57.5
  text "r" at -1390,-385 h40
  text "b" at 1385,-390 h40
  text "Sync" at 635,-420 h40
  text "13" at -1340,-520 h40 r292.5
  text "3" at 1325,-565 h40 r67.5
  text "v" at -1388,-586 h40
  text "v" at 1357,-586 h40
  text "prog" at 100,-660 h40
  text "r" at 1235,-730 h40
  text "b" at -1255,-735 h40
  text "#" at 335,-876 h40
  text "r" at -1145,-885 h40
  text "b" at 1125,-890 h40
  text "14" at -1035,-1000 h40 r315
  text "2" at 1010,-1030 h40 r45
  text "v" at -1068,-1066 h40
  text "v" at 1037,-1066 h40
  text "USBDF01W5" at 395,-1075 h40 r25
  text "r" at 865,-1150 h40
  text "b" at -885,-1155 h40
  text "433 MHz" at -1330,-1240 h40 r90
  text "r" at -725,-1260 h40
  text "b" at 705,-1260 h40
  text "15" at -580,-1320 h40 r337.5
  text "1" at 540,-1335 h40 r22.5
  text "v" at -583,-1386 h40
  text "v" at 552,-1386 h40
  text "r" at 365,-1400 h40
  text "b" at -380,-1405 h40
  text "r" at -195,-1440 h40
  text "0" at -10,-1445 h40
  text "b" at 175,-1445 h40
  text "v" at -13,-1496 h40
Bottom Overlay:
  text "B" at 10,1415 h40
  text "G" at -170,1400 h40
  text "R" at 210,1395 h40
  text "G" at 355,1370 h40
  text "R" at -350,1360 h40
  text "9" at -355,1330 h40 r180
  text "8" at 195,1325 h40
  text "B" at -535,1305 h40
  text "B" at 560,1305 h40
  text "*" at -15,1235 h40 r90
  text "G" at -700,1225 h40
  text "~" at 225,1225 h40
  text "R" at 730,1215 h40
  text "7" at 680,1195 h40 r180
  text "~" at -325,1180 h40
  text "*" at 390,1175 h40 r90
  text "|" at 120,1160 h40 r90
  text "10" at -830,1140 h40 r180
  text "G" at 855,1140 h40
  text "R" at -845,1130 h40
  text "*" at -540,1105 h40 r90
  text "|" at -375,1090 h40 r90
  text "~" at 650,1060 h40
  text "|" at 515,1055 h40 r90
  text "*" at 720,1030 h40 r90
  text "B" at -1005,990 h40
  text "B" at 1030,985 h40
  text "~" at -770,960 h40
  text "|" at 740,885 h40 r90
  text "G" at -1120,870 h40
  text "|" at -765,865 h40 r90
  text "6" at 1095,840 h40 r90
  text "R" at 1150,840 h40
  text "~" at 920,835 h40
  text "*" at -915,805 h40 r90
  text "4*22R" at 425,745 h40 r270
  text "G" at 1235,730 h40
  text "R" at -1225,715 h40
  text "11" at -1205,675 h40 r270
  text "~" at -1090,590 h40
  text "4*47k" at 425,535 h40 r270
  text "*" at 1170,535 h40 r90
  text "B" at -1315,530 h40
  text "B" at 1340,525 h40
  text "1R-1W" at 1065,510 h40
  text "Recepteur Balise IR" at -175,505 h120
  text "|" at -1030,495 h40 r90
  text "ROBOT ESEO 2016" at -220,405 h120
  text "Dz5V1" at 620,405 h40 r270
  text "°" at -165,389 h30
  text "°" at 555,389 h30
  text "*" at -1145,385 h40 r90
  text "1n" at 120,375 h40
  text "5" at 1340,365 h40 r90
  text "R" at 1395,345 h40
  text "G" at -1370,340 h40
  text "Nirgal" at -720,300 h120
  text "2.2u" at 475,300 h40
  text "~" at 1300,275 h40
  text "°" at -200,239 h30
  text "|" at 1235,195 h40 r90
  text "~" at -1245,175 h40
  text "150" at 860,175 h40 r270
  text "G" at 1440,175 h40
  text "R" at -1405,170 h40
  text "12" at -1365,170 h40 r270
  text "17p" at -590,160 h40
  text "*" at 1235,115 h40 r90
  text "1n" at -325,95 h40
  text "|" at -1110,75 h40 r90
  text "*" at -1195,-5 h40 r90
  text "B" at -1425,-15 h40
  text "B" at 1450,-20 h40
  text "°" at -325,-41 h30
  text "|" at 1180,-55 h40 r90
  text "150" at 760,-115 h40 r270
  text "4" at 1380,-160 h40 r90
  text "1n" at -325,-180 h40
  text "~" at 1270,-195 h40
  text "R" at 1435,-205 h40
  text "G" at -1405,-225 h40
  text "17p" at -630,-230 h40
  text "8MHz" at -585,-235 h40 r270
  text "2.2u" at 810,-320 h40
  text "*" at 1240,-335 h40 r90
  text "13" at -1330,-355 h40 r270
  text "R" at -1370,-375 h40
  text "G" at 1405,-375 h40
  text "1n" at 690,-420 h40
  text "~" at -1190,-430 h40
  text "|" at -1040,-470 h40 r90
  text "~" at 1130,-500 h40 r90
  text "B" at -1310,-565 h40
  text "B" at 1340,-565 h40
  text "*" at -250,-585 h40 r90
  text "°" at 485,-586 h30
  text "*" at -1045,-605 h40 r90
  text "CAN" at 820,-645 h40 r180
  text "1M" at -420,-650 h40 r45
  text "1n" at 70,-675 h40 r270
  text "1u" at 790,-675 h40
  text "3" at 1205,-675 h40 r90
  text "°" at 585,-686 h30
  text "|" at 1085,-715 h40 r90
  text "°" at -75,-726 h30
  text "G" at -1220,-735 h40
  text "R" at 1245,-735 h40
  text "+" at -180,-740 h40 r90
  text "2.2u" at 995,-740 h40
  text "|" at 690,-745 h40 r90
  text "|" at -810,-765 h40 r90
  text "*" at 775,-765 h40 r90
  text "~" at -965,-800 h40
  text "14" at -1100,-830 h40 r270
  text "#" at 30,-835 h40 r90
  text "#" at 220,-835 h40 r90
  text "#" at 415,-835 h40 r90
  text "R" at -1120,-870 h40
  text "G" at 1155,-890 h40
  text "100" at -385,-895 h40 r180
  text "*" at -770,-920 h40 r90
  text "NMOS" at 535,-995 h40
  text "~" at 700,-995 h40
  text "|" at -530,-1025 h40 r90
  text "B" at 1025,-1025 h40
  text "B" at -1005,-1030 h40
  text "*" at 575,-1070 h40 r90
  text "|" at 415,-1095 h40 r90
  text "2" at 835,-1100 h40
  text "~" at -680,-1115 h40
  text "*" at -420,-1115 h40 r90
  text "|" at 65,-1150 h40 r90
  text "R" at 885,-1150 h40
  text "G" at -855,-1155 h40
  text "15" at -665,-1185 h40
  text "*" at 195,-1200 h40 r90
  text "R" at -715,-1245 h40
  text "G" at 750,-1245 h40
  text "~" at 360,-1285 h40
  text "~" at -60,-1295 h40
  text "1" at 360,-1330 h40
  text "B" at 565,-1335 h40
  text "B" at -540,-1340 h40
  text "0" at -165,-1360 h40
  text "R" at 380,-1400 h40
  text "G" at -355,-1405 h40
  text "R" at -175,-1430 h40
  text "G" at 235,-1440 h40
  text "B" at 20,-1450 h40
Mechanical 15:
  circle w10: c0,0 r275.59
  circle w4: c0,0 r1366
  lines w4: -1556,0 1554,0 ; -1436.66,-594.81 1436.61,595.33 ; -1436.26,595.3 1437,-594.85 ; -1099.96,-1099.65 1099.15,1099.45 ; -1099.45,1100.15 1099.65,-1098.96 ; -595.33,1436.61 594.81,-1436.66 ; -594.85,-1437 595.3,1436.26 ; 0,-1671 0,1585
  text "ATTENTION, cette vue est une vue de DESSOUS..!!!" at -965,2095 h120
  text "L'angle mort de l'hokuyo est à droite... l'avant du robot est en bas" at -1255,1975 h120
  text "ARRIERE" at -1025,1740 h120
  text "GAUCHE" at -2609,-117 h120
  text "DROITE" at 2251,-137 h120
  text "ENTRETOISES :" at 1736,-502 h120
  text "10mm sur le bottom, placées au fond" at 1840,-800 h120
  text "4mm sur le top, dans le prolongement" at 1843,-928 h120
  text "AVANT" at -469,-1817 h120

## Dimensions
0,0 to -1030,-215 on Mechanical 15
0,0 to 865,690 on Mechanical 15
0,0 to -210,-1050 on Mechanical 15
865,690 to 0,0 on Mechanical 15
0,0 to -190,990 on Mechanical 15
0,0 to -210,-1050 on Mechanical 15
0,0 to -190,990 on Mechanical 15
0,0 to -1030,-215 on Mechanical 15